# Altium PCB 11BRANMB10H2_20170927.pcbdoc (part 5 of 11)
Units mm, origin at the board's own origin, x right, y up, seen from the top; angles counter-clockwise.
Board outline 91.65 x 48.25 mm, 6 copper layers (TOP, GND1, Singal, POWER, GND2, BOTTOM), stack 0.8 mm thick; 370 components, 289 nets, 1421 pads, 980 vias.
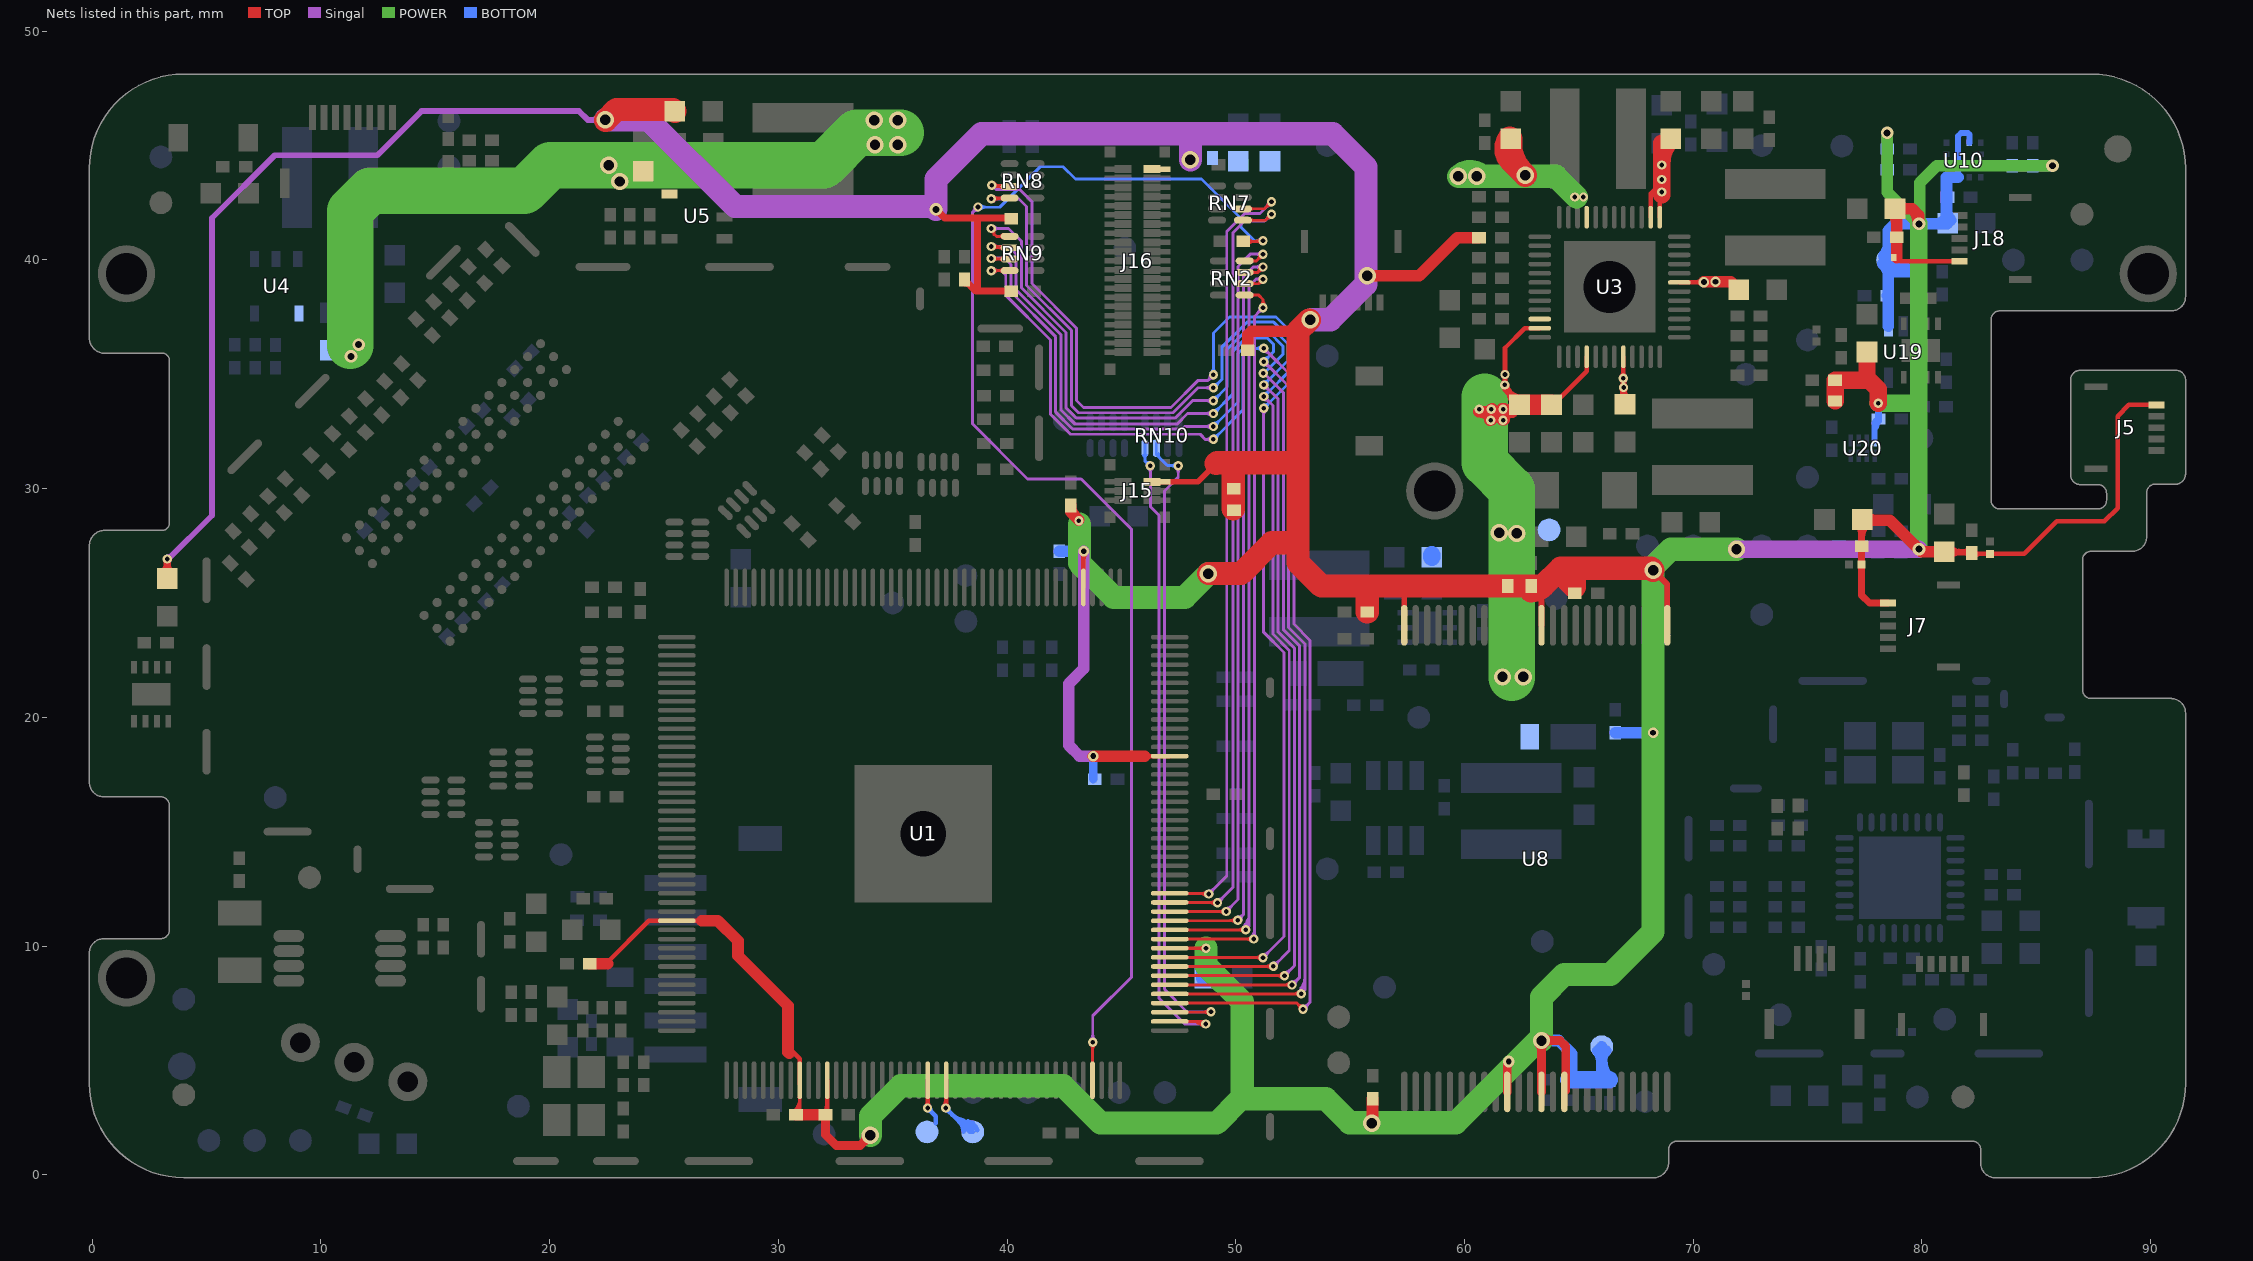
[diagram p9: the nets of this part, all layers, seen from the top]

## Via types
v1: diameter 0.406, hole 0.203, TOP to BOTTOM, tented both sides, 450 vias
v2: diameter 0.457, hole 0.254, TOP to BOTTOM, tented both sides, 256 vias
v3: diameter 0.559, hole 0.305, TOP to BOTTOM, tented both sides, 184 vias
v4: diameter 0.762, hole 0.457, TOP to BOTTOM, tented both sides, 69 vias
v5: diameter 0.61, hole 0.33, TOP to BOTTOM, tented both sides, 11 vias
v6: diameter 0.5, hole 0.2, TOP to BOTTOM, 9 vias
v7: diameter 0.508, hole 0.254, TOP to BOTTOM, tented both sides, 1 vias

## Nets (pads, with @x,y where several pads share a name; then routed paths per layer and width w, separated by ;. In a path a pad name is that pad's centre, name@x,y a point inside that pad or via, vN(x,y) a via of type N, cw(c..) or ccw(c..) an arc to the next point about the centre after c; other vN are vias at no path point) (continued)
HPVCC: C10.2 C15.1 C16.2 C17.2 C18.2 C19.2 C121.2 C122.2 C123.2 C152.2 C154.2 C155.2 C156.1 C157.1 C204.2 C207.2 C208.2 C209.2 C235.1 C240.2 C241.1 C252.2 C253.2 D13.1 D15.1 D20.1 J5.1 J7.5 J15.1 J16.1 J18.1 L12.1 R3.1 R4.1 R5.1 R6.1 R7.1 R8.1 R23.2 R32.1 R34.1 R39.1 R55.2 R79.1 R80.1 R81.1 R99.2 R129.1 R130.1 R131.1 R177.2 R199.1 R213.1 R214.1 TP12.1 TP23.1 U1.5 U1.76 U1.97 U1.100 U1.142 U1.163 U8.1 U8.12 U8.24 U8.34 U8.37 U8.39 U10.2 U10.3 U10.9 U10.10 U19.1 U20.8 | length 435.4
  TOP w0.152: 30.779,2.881 ccw(c30.934,2.792) C17.2@30.837,2.642 ; 30.86,3.02 ccw(c31.021,2.926) C17.2@30.92,2.77 ; C17.2@30.935,2.624 U1.97@30.935,3.958 ; U1.142@47.11,9.908 48.261,9.908 48.268,9.902 v1(48.699,9.902) ; U1.97@30.915,3.396 cw(c30.79,3.324) 30.929,3.287 ; U1.97@30.915,3.396 cw(c30.79,3.324) 30.929,3.287 ; U1.97@30.915,3.396 cw(c30.79,3.324) 30.929,3.287 ; 48.393,9.902 ccw(c48.393,10.208) 48.61,9.991 cw(c48.393,10.208) 48.393,9.902 ; 48.393,9.902 cw(c48.393,9.595) 48.61,9.812 ccw(c48.393,9.595) 48.393,9.902 ; C17.2@30.702,2.747 ccw(c30.14,3.31) 30.935,3.31 cw(c30.14,3.31) C17.2@30.702,2.747 ; C17.2@30.81,2.639 ccw(c30.508,2.942) 30.935,2.942 cw(c30.508,2.942) C17.2@30.81,2.639
  TOP w0.203: 22.528,9.295 24.341,11.108 U1.76@25.56,11.108 26.657,11.108 ; 30.43,5.572 30.935,5.066 U1.97@30.935,4.133 U1.97@30.935,3.958 ; C19.2@32.135,2.699 U1.100@32.135,4.133 ; U1.5@43.335,25.683 v2@43.335,27.241 ; 46.022,18.308 U1.163@47.11,18.308 ; J16.1@46.335,43.97 J16.1@46.925,43.97 ; D20.1@78.764,40.058 cw(c78.777,39.661) 79.058,39.942 ; 78.9,40.1 79.058,39.942 ; v3@79.844,27.381 v3(79.87,27.356) ; C155.2@80.974,27.241 81.029,27.186 C154.2@82.181,27.186 ; 81.615,27.275 ccw(c81.766,27.84) C154.2@82.097,27.358 ; J18.1@81.648,39.942 79.058,39.942 ; C154.2@82.214,27.153 D13.1@82.982,27.153 84.479,27.153 85.901,28.575 87.982,28.575 88.557,29.15 88.557,33.172 89.049,33.664 J5.1@90.263,33.664 ; 81.823,27.186 ccw(c81.823,27.544) 82.076,27.291 cw(c81.823,27.544) 81.823,27.186 ; 81.823,27.186 cw(c81.823,26.828) 82.076,27.081 ccw(c81.823,26.828) 81.823,27.186 ; 82.805,27.153 ccw(c82.805,27.33) 82.93,27.205 cw(c82.805,27.33) 82.805,27.153 ; 82.805,27.153 cw(c82.805,26.976) 82.93,27.101 ccw(c82.805,26.976) 82.805,27.153 ; 83.159,27.153 ccw(c83.159,26.976) 83.034,27.101 cw(c83.159,26.976) 83.159,27.153 ; 83.159,27.153 cw(c83.159,27.33) 83.034,27.205 ccw(c83.159,27.33) 83.159,27.153 ; C19.2@32.006,2.729 ccw(c31.694,3.041) 32.135,3.041 cw(c31.694,3.041) C19.2@32.006,2.729 ; 32.135,2.924 ccw(c32.411,2.924) 32.216,2.729 cw(c32.411,2.924) 32.135,2.924 ; v2@43.266,27.172 cw(c43.1,27.006) 43.335,27.006 ccw(c43.1,27.006) v2@43.266,27.172 ; 43.335,26.905 cw(c43.713,26.905) 43.446,27.172 ccw(c43.713,26.905) 43.335,26.905 ; C155.2@81.076,27.344 ccw(c81.458,27.726) 81.458,27.186 cw(c81.458,27.726) C155.2@81.076,27.344 ; C155.2@81.22,26.995 cw(c81.681,26.534) 81.681,27.186 ccw(c81.681,26.534) C155.2@81.22,26.995 ; C155.2@81.22,27.488 ccw(c81.949,28.217) 81.949,27.186 cw(c81.949,28.217) C155.2@81.22,27.488 ; C154.2@82.286,27.031 cw(c82.58,26.737) 82.58,27.153 ccw(c82.58,26.737) C154.2@82.286,27.031 ; C154.2@82.286,27.241 ccw(c82.499,27.453) 82.499,27.153 cw(c82.499,27.453) C154.2@82.286,27.241
  TOP w0.254: R214.1@3.048,26.301 ccw(c2.497,26.853) 3.277,26.853 ccw(c4.056,26.853) R214.1@3.505,26.301 ; v1@3.211,26.886 cw(c2.997,26.762) 3.235,26.699 ; R214.1@3.277,26.073 v1(3.277,26.924) ; 3.318,26.699 cw(c3.556,26.762) v1@3.343,26.886 ; J15.1@46.335,30.3 J15.1@46.925,30.3 48.352,30.3 49.149,31.097 ; U8.24@57.367,24.024 57.367,25.4 ; C204.2@62.981,25.679 63.367,25.293 U8.12@63.367,24.024 ; 68.568,26.097 cw(c68.683,26.526) v4(68.248,26.437) ; 68.588,26.117 ccw(c68.159,26.002) v4(68.248,26.437) ; U8.1@68.867,24.024 68.867,25.818 v4(68.248,26.437) ; 68.682,26.003 ccw(c68.248,25.57) 68.248,26.183 cw(c68.248,25.57) 68.682,26.003 ; 68.682,26.003 cw(c69.115,26.437) 68.502,26.437 ccw(c69.115,26.437) 68.682,26.003 ; C204.2@62.914,25.573 cw(c62.914,25.155) 63.209,25.451 ccw(c62.914,25.155) C204.2@62.914,25.573
  TOP w0.305: v3(36.893,42.215) 37.274,41.834 38.701,41.834 ; R55.2@38.138,39.143 38.647,38.633 R79.1@40.178,38.633 ; 38.701,38.687 38.701,41.834 ; R81.1@40.178,41.808 40.152,41.834 38.701,41.834 ; C157.1@77.183,28.441 cw(c76.734,27.992) 77.369,27.992 ; 77.369,27.874 cw(c78.171,27.874) C157.1@77.604,28.441 ; C157.1@77.369,28.627 77.369,27.483 77.369,26.695 77.369,25.336 77.704,25 J7.5@78.52,25 ; 37.11,41.998 ccw(c36.893,41.781) 36.893,42.088 cw(c36.893,41.781) 37.11,41.998 ; 37.11,41.998 cw(c37.327,42.215) 37.02,42.215 ccw(c37.327,42.215) 37.11,41.998 ; R55.2@38.138,38.995 cw(c38.138,38.639) 38.39,38.891 ccw(c38.138,38.639) R55.2@38.138,38.995 ; 39.831,41.834 cw(c39.831,41.511) 40.059,41.739 ccw(c39.831,41.511) 39.831,41.834
  TOP w0.381: C19.2@32.061,2.624 32.061,1.756 32.536,1.281 33.581,1.281 v4(34.027,1.727) ; U8.34@61.867,3.624 61.867,4.883 v7(61.937,4.953) ; U8.37@63.367,3.624 v4(63.367,5.871) 64.173,5.871 64.425,5.619 U8.39@64.425,3.682 ; 33.702,1.402 ccw(c33.377,1.727) 33.837,1.727 cw(c33.377,1.727) 33.702,1.402 ; 33.702,1.402 cw(c34.027,1.077) 34.027,1.536 ccw(c34.027,1.077) 33.702,1.402 ; 63.367,5.411 ccw(c62.907,5.411) 63.232,5.736 cw(c62.907,5.411) 63.367,5.411 ; 63.367,5.411 cw(c63.827,5.411) v4@63.502,5.736 ; 63.367,5.411 cw(c63.827,5.411) v4@63.502,5.736 ; v4@63.502,5.736 cw(c63.827,5.411) 63.827,5.871 ; v4@63.502,5.736 cw(c63.827,5.411) 63.827,5.871 ; 63.827,5.871 cw(c63.827,6.331) 63.502,6.006 ccw(c63.827,6.331) 63.827,5.871 ; 61.867,4.63 cw(c62.261,4.63) 61.982,4.908 ccw(c62.261,4.63) 61.867,4.63
  TOP w0.508: C10.2@21.758,9.228 22.528,9.228 ; 26.657,11.108 27.356,11.108 28.236,10.228 28.236,9.571 30.42,7.387 30.42,5.664 ; 30.43,5.572 30.43,5.655 30.42,5.664 ; 30.472,5.313 30.42,5.366 30.42,5.664 ; C17.2@30.775,2.624 30.935,2.624 C19.2@32.061,2.624 ; R177.2@42.786,29.269 42.786,28.988 v1@43.142,28.632 ; v2(43.772,18.309) 46.022,18.309 ; R80.1@50.525,36.061 50.525,36.721 50.686,36.881 52.718,36.881 ; v4@55.848,39.313 58.026,39.313 59.692,40.978 R23.2@60.636,40.978 ; v4(55.954,2.256) 55.98,2.282 R99.2@55.98,3.331 ; C204.2@62.799,25.496 C204.2@62.981,25.679 ; C157.1@77.443,28.626 78.6,28.626 v3@79.844,27.381 ; C157.1@77.532,28.79 ccw(c77.928,29.186) 77.928,28.626 ; 78.9,40.1 78.9,40.107 C253.2@78.9,40.989 78.9,42.167 C252.2@78.826,42.241 79.576,42.241 ; v3(79.87,27.356) 79.984,27.241 C155.2@80.974,27.241 ; v3(79.87,41.58) 79.87,41.947 79.576,42.241 ; 79.299,42.241 ccw(c79.299,41.768) 78.964,42.103 cw(c79.299,41.768) 79.299,42.241 ; 79.299,42.241 cw(c79.299,42.715) 78.964,42.38 ccw(c79.299,42.715) 79.299,42.241 ; 79.576,42.241 cw(c78.927,41.592) 79.844,41.58 ccw(c78.927,41.592) 79.576,42.241 ; 80.501,27.241 ccw(c80.501,27.715) 80.835,27.38 cw(c80.501,27.715) 80.501,27.241 ; 80.501,27.241 cw(c80.501,26.768) 80.835,27.103 ccw(c80.501,26.768) 80.501,27.241 ; R177.2@42.782,29.219 ccw(c43.33,29.219) 42.942,28.831 cw(c43.33,29.219) R177.2@42.782,29.219 ; C252.2@78.687,42.103 cw(c78.172,41.588) 78.9,41.588 ccw(c78.172,41.588) C252.2@78.687,42.103 ; v3@79.888,27.374 ccw(c80.207,27.693) 80.207,27.241 cw(c80.207,27.693) v3@79.888,27.374
  TOP w0.762: R7.1@76.204,33.833 R8.1@76.204,34.747 77.697,34.747 78.092,34.353 v1(78.092,33.731) ; 77.6,34.798 R213.1@77.6,35.975
  TOP w1.016: v4@22.44,46.101 22.45,46.111 22.922,46.583 25.394,46.583 L12.1@25.476,46.501 ; v4(48.806,26.289) 50.228,26.289 51.574,27.635 52.718,27.635 ; 49.149,31.097 49.185,31.134 49.898,31.134 ; R5.1@49.89,29.127 49.89,29.991 49.89,31.126 49.898,31.134 ; v4@53.212,37.376 52.718,36.881 52.718,31.134 ; R39.1@55.753,24.608 55.753,25.746 ; 64.347,26.388 64.347,26.167 64.816,25.698 64.816,26.1 ; v4(68.248,26.437) 68.16,26.525 64.209,26.525 63.43,25.746 ; 49.898,31.134 52.718,31.134 ; 52.718,27.635 52.718,31.134 ; 52.718,27.635 52.718,26.772 53.743,25.746 55.753,25.746 ; 55.753,25.746 C207.2@61.898,25.746 C204.2@62.914,25.746 63.43,25.746 ; 63.43,25.746 cw(c62.927,26.249) 62.906,25.538 ccw(c62.927,26.249) 63.43,25.746 ; C204.2@62.914,25.538 ccw(c62.914,26.282) 63.44,25.756 cw(c62.914,26.282) C204.2@62.914,25.538
  Singal w0.254: v1(3.277,26.924) 3.277,26.873 3.302,26.899 5.232,28.829 5.232,41.834 7.976,44.577 12.471,44.577 14.402,46.507 21.285,46.507 21.666,46.126 22.426,46.126 v4@22.44,46.126 ; v1@3.277,27 ccw(c3.277,27.307) 3.493,27.09 ; 21.794,46.126 ccw(c21.794,46.766) v4@22.247,46.314 ; 21.832,46.126 cw(c21.832,45.54) v4@22.247,45.955
  Singal w0.508: v2(43.356,27.262) 43.356,22.135 42.696,21.474 42.696,18.781 43.167,18.309 v2(43.772,18.309)
  Singal w0.762: v4(71.894,27.356) v3(79.87,27.356)
  Singal w1.016: v4@22.44,46.126 24.32,46.126 28.105,42.342 v3@36.766,42.342 ; v3(36.893,42.215) 36.893,43.529 38.881,45.517 48.022,45.517 ; v4@48.022,44.378 48.022,45.517 ; v4@53.302,37.389 54.14,37.389 55.689,38.938 55.689,39.319 55.689,44.069 54.241,45.517 48.022,45.517
  POWER w0.508: v3(78.481,45.559) 78.481,42.968 v3(79.87,41.58) 79.907,41.617 79.907,43.383 80.644,44.12 v3(85.712,44.12)
  POWER w0.762: v1(78.092,33.731) 79.819,33.731 79.87,33.68 ; v3(79.87,27.356) 79.87,33.68 ; v3@79.87,41.605 v3(79.87,41.58) 79.87,33.68
  POWER w1.016: v4(34.027,1.727) 34.027,2.565 35.356,3.894 42.454,3.894 44.088,2.261 49.16,2.261 50.227,3.327 ; v1@43.167,28.441 43.167,27.262 43.167,26.746 44.666,25.247 47.764,25.247 v4(48.806,26.289) ; v1(48.699,9.902) 48.699,9.149 50.279,7.569 50.279,3.38 50.227,3.327 ; v4(63.367,5.871) v4@63.367,6.027 ; v4(71.894,27.356) 69.024,27.356 68.248,26.58 v4(68.248,26.437) v2(68.248,19.325) 68.248,10.624 66.387,8.763 64.358,8.763 63.367,7.772 v4@63.367,6.027 ; 50.227,3.327 53.93,3.327 54.978,2.279 55.954,2.279 59.619,2.279 62.115,4.775 63.289,5.949 v4@63.367,6.027
  BOTTOM w0.254: U20.8@77.931,32.11 77.931,32.877 C241.1@78.1,33.045 ; C241.1@77.96,32.962 cw(c77.8,32.812) 77.989,32.703 ; U10.9@81.576,43.619 U10.2@81.576,45.119 81.576,45.415 81.712,45.551 82.017,45.551 82.076,45.491 U10.3@82.076,45.119 ; 77.931,32.462 cw(c78.634,32.462) 78.137,32.958 ccw(c78.634,32.462) 77.931,32.462
  BOTTOM w0.305: v1(78.092,33.731) 78.1,33.723 C241.1@78.1,33.045
  BOTTOM w0.381: C18.2@43.771,17.293 43.772,17.294 v2(43.772,18.309)
  BOTTOM w0.508: C16.2@42.278,27.265 43.353,27.265 v2(43.356,27.262) ; v4(63.367,5.871) 64.112,5.871 64.692,5.291 64.692,4.283 R32.1@64.557,4.148 ; 66,4.197 TP23.1@66,5.6 ; 66,5.008 ccw(c67.161,5.008) C209.2@66.34,4.187 ; R131.1@66.597,19.333 68.24,19.333 v2(68.248,19.325) ; R129.1@78.481,43.942 R130.1@78.481,44.852 v3(78.481,45.559) ; TP12.1@78.49,39.99 TP12.1@78.5,40 ; U19.1@78.534,37.107 C235.1@78.534,38.386 ; 80.604,41.58 ccw(c80.604,42.125) C152.2@80.989,41.739 ; 81.076,42.198 ccw(c81.725,42.198) C152.2@81.266,41.739 ; U10.9@81.576,43.619 U10.10@81.076,43.619 81.076,42.744 81.076,41.652 C152.2@81.128,41.601 81.107,41.58 v3(79.87,41.58) 78.828,41.58 78.534,41.285 TP12.1@78.534,40 ; R3.1@83.96,44.123 R4.1@84.849,44.123 v3@85.712,44.123 ; 66,5.006 ccw(c65.406,5.006) 65.826,5.426 cw(c65.406,5.006) 66,5.006 ; 66,5.006 cw(c66.594,5.006) 66.174,5.426 ccw(c66.594,5.006) 66,5.006 ; TP12.1@78.362,39.797 cw(c78.139,39.471) 78.534,39.471 ; TP12.1@78.362,39.797 cw(c78.139,39.471) 78.534,39.471 ; TP12.1@78.362,39.797 cw(c78.139,39.471) 78.534,39.471 ; TP12.1@78.362,39.797 cw(c78.139,39.471) 78.534,39.471 ; TP12.1@78.5,40 TP12.1@78.534,39.966 ; TP12.1@78.5,40 TP12.1@78.534,40 ; C235.1@78.534,38.386 78.534,38.43 C235.1@78.534,38.474 ; C235.1@78.534,38.386 C235.1@78.49,38.43 C235.1@78.534,38.474 ; C235.1@78.534,38.474 78.534,39.472 ; 78.534,39.472 TP12.1@78.534,39.966 ; 78.534,39.472 78.551,39.489 79.011,39.489 ; 78.534,39.488 cw(c79.012,39.488) TP12.1@78.674,39.826 ; 78.534,39.488 cw(c79.012,39.488) TP12.1@78.674,39.826 ; 78.534,39.488 cw(c79.012,39.488) TP12.1@78.674,39.826 ; 78.534,39.488 cw(c79.012,39.488) TP12.1@78.674,39.826 ; 78.534,39.488 cw(c79.012,39.488) TP12.1@78.674,39.826 ; 78.534,39.488 cw(c79.012,39.488) TP12.1@78.674,39.826 ; TP12.1@78.534,39.966 TP12.1@78.534,40 ; TP12.1@78.534,39.966 79.011,39.489 ; 78.92,39.58 ccw(c78.5,39.16) 78.5,39.754 cw(c78.5,39.16) 78.92,39.58 ; 78.92,39.58 cw(c79.34,40) 78.746,40 ccw(c79.34,40) 78.92,39.58 ; 79.011,39.489 R199.1@79.971,39.489 ; R199.1@79.971,39.489 cw(c79.971,41.051) 78.7,40.143 ccw(c79.971,41.051) R199.1@79.971,39.489 ; TP12.1@78.287,39.848 ccw(c78.984,40.346) 78.984,39.489 cw(c78.984,40.346) TP12.1@78.287,39.848 ; TP12.1@78.326,39.826 cw(c77.824,39.324) 78.534,39.324 ccw(c77.824,39.324) TP12.1@78.326,39.826 ; TP12.1@78.326,40.174 ccw(c77.824,40.676) 78.534,40.676 cw(c77.824,40.676) TP12.1@78.326,40.174 ; 78.534,40.512 ccw(c79.012,40.512) 78.674,40.174 cw(c79.012,40.512) 78.534,40.512
  BOTTOM w0.762: C15.1@48.636,8.606 v1@48.636,9.838 ; R32.1@64.557,4.148 65.454,4.148 C209.2@66.335,4.148
  other v1: 43.142,28.594
  other v4: 53.251,37.389 55.74,39.319 48.018,44.374 22.426,46.134
IPSOUT: C39.1 C40.2 C47.1 C50.1 C57.1 C64.1 C67.1 C68.1 D18.2 L19.2 TP13.1 U3.7 U3.13 U3.14 U3.21 U3.34 U3.35 U3.40 U3.44 U4.4 U5.4 | length 120
  TOP w0.203: v1@61.703,34.919 cw(c61.591,34.792) 61.755,34.748 ; v1@61.709,34.449 cw(c61.419,33.947) C40.2@61.98,34.097 ; v1@61.854,34.398 ccw(c62.509,34.776) C40.2@62.439,34.022 ; C40.2@61.964,34.024 ccw(c62.507,34.169) C40.2@62.394,33.619 ; 61.966,34.286 cw(c62.218,34.537) v1@61.862,34.537 ; C40.2@62.025,34.101 cw(c61.643,33.88) C40.2@62.069,33.766 ; C40.2@62.051,34.057 ccw(c62.464,34.296) C40.2@62.42,33.82 ; C40.2@62.058,34.117 cw(c61.912,33.574) C40.2@62.463,33.687 ; C40.2@62.406,33.676 61.771,34.311 ; U3.35@63.293,37.019 62.632,37.019 62.632,37.013 61.771,36.152 v1(61.771,34.995) 61.771,34.537 61.771,34.311 ; C68.1@63.803,33.676 63.876,33.676 65.343,35.142 U3.40@65.343,35.769 ; v1@66.882,34.493 ccw(c66.748,34.614) v1@66.923,34.661 ; v1@66.887,34.498 ccw(c66.708,34.686) v1@66.967,34.686 ; v1@66.923,34.567 cw(c67.169,34.567) v1@67.009,34.754 ; v1@66.939,34.679 ccw(c67.169,34.679) v1@67.022,34.502 ; U3.44@66.943,35.769 v1(66.943,34.831) v1@66.943,34.424 ; v1@66.967,34.644 ccw(c67.177,34.644) v1@67.029,34.496 ; v1@66.984,34.581 cw(c67.191,34.636) v1@67.023,34.768 ; C39.1@67.105,33.676 67.052,33.728 66.943,33.838 v1@66.943,34.424 ; U3.14@68.143,41.869 68.143,42.905 68.334,43.096 ; U3.13@68.543,41.869 68.543,42.969 68.543,43.096 68.334,43.096 ; v1@68.56,42.894 cw(c68.457,42.781) 68.59,42.705 ; U3.7@69.393,39.019 70.451,39.019 v2(70.467,39.035) v2@70.483,39.051 ; 61.771,34.31 ccw(c61.587,34.31) 61.698,34.457 cw(c61.587,34.31) 61.771,34.31 ; 61.771,34.749 ccw(c61.526,34.749) 61.699,34.923 cw(c61.526,34.749) 61.771,34.749 ; 61.771,34.749 cw(c62.016,34.749) 61.843,34.923 ccw(c62.016,34.749) 61.771,34.749 ; 61.771,35.24 ccw(c62.016,35.24) 61.843,35.066 cw(c62.016,35.24) 61.771,35.24 ; 61.771,35.24 cw(c61.526,35.24) 61.699,35.066 ccw(c61.526,35.24) 61.771,35.24 ; 61.811,34.27 ccw(c62.406,34.865) 62.406,34.024 cw(c62.406,34.865) 61.811,34.27 ; 61.811,34.27 cw(c61.216,33.676) 62.058,33.676 ccw(c61.216,33.676) 61.811,34.27 ; v1@61.862,34.537 ccw(c62.628,34.537) 62.086,33.995 cw(c62.628,34.537) v1@61.862,34.537 ; v1@66.869,34.373 cw(c66.643,34.243) 66.895,34.176 ; v1@66.869,34.373 cw(c66.643,34.243) 66.895,34.176 ; v1@66.869,34.373 cw(c66.643,34.243) 66.895,34.176 ; v1@66.89,34.744 cw(c66.832,34.65) v1@66.939,34.622 ; v1@66.89,34.744 cw(c66.832,34.65) v1@66.939,34.622 ; v1@66.89,34.744 cw(c66.832,34.65) v1@66.939,34.622 ; 66.901,34.197 cw(c67.123,34.137) v1@67.008,34.336 ; 66.901,34.197 cw(c67.123,34.137) v1@67.008,34.336 ; 66.901,34.197 cw(c67.123,34.137) v1@67.008,34.336 ; v1@66.906,34.336 cw(c66.807,34.164) 66.999,34.215 ; v1@66.906,34.336 cw(c66.807,34.164) 66.999,34.215 ; v1@66.906,34.336 cw(c66.807,34.164) 66.999,34.215 ; v1@66.943,34.424 ccw(c67.438,34.424) 67.191,33.995 cw(c67.438,34.424) v1@66.943,34.424 ; v1@66.943,34.586 ccw(c66.698,34.586) 66.871,34.759 cw(c66.698,34.586) v1@66.943,34.586 ; v1@66.943,34.586 cw(c67.188,34.586) 67.015,34.759 ccw(c67.188,34.586) v1@66.943,34.586 ; 66.943,35.076 ccw(c67.188,35.076) 67.015,34.903 cw(c67.188,35.076) 66.943,35.076 ; 66.943,35.076 cw(c66.698,35.076) 66.871,34.903 ccw(c66.698,35.076) 66.943,35.076 ; v1@66.967,34.612 cw(c67.105,34.649) v1@67.01,34.755 ; v1@66.967,34.612 cw(c67.105,34.649) v1@67.01,34.755 ; v1@66.967,34.612 cw(c67.105,34.649) v1@67.01,34.755 ; 67.003,34.199 cw(c67.181,34.247) v1@67.037,34.361 ; 67.003,34.199 cw(c67.181,34.247) v1@67.037,34.361 ; 67.003,34.199 cw(c67.181,34.247) v1@67.037,34.361 ; v1@67.029,34.496 cw(c67.236,34.703) 66.943,34.703 ccw(c67.236,34.703) v1@67.029,34.496 ; 68.334,43.096 cw(c68.334,42.893) 68.531,42.944 ccw(c68.334,42.893) 68.334,43.096 ; v1@61.688,34.609 ccw(c61.488,34.809) 61.771,34.809 cw(c61.488,34.809) v1@61.688,34.609 ; 61.771,34.319 cw(c61.979,34.319) 61.832,34.466 ccw(c61.979,34.319) 61.771,34.319 ; 61.771,34.756 ccw(c61.979,34.756) 61.832,34.609 cw(c61.979,34.756) 61.771,34.756 ; C39.1@66.771,33.939 ccw(c66.356,34.355) 66.943,34.355 cw(c66.356,34.355) C39.1@66.771,33.939 ; v1@66.885,34.352 cw(c66.745,34.213) 66.943,34.213 ccw(c66.745,34.213) v1@66.885,34.352 ; v1@66.885,34.496 ccw(c66.745,34.636) 66.943,34.636 cw(c66.745,34.636) v1@66.885,34.496 ; 66.943,34.145 cw(c67.236,34.145) 67.029,34.352 ccw(c67.236,34.145) 66.943,34.145 ; 68.543,42.516 cw(c69.082,42.516) 68.701,42.897 ccw(c69.082,42.516) 68.543,42.516 ; 70.121,39.019 ccw(c70.121,39.382) 70.377,39.125 cw(c70.121,39.382) 70.121,39.019 ; 70.2,39.019 cw(c70.2,38.768) 70.377,38.946 ccw(c70.2,38.768) 70.2,39.019
  TOP w0.508: v1@60.628,33.358 v1@60.646,33.358 ; 61.517,33.35 v1@61.688,33.35 ; v2@70.467,39.051 70.483,39.051 v2(70.975,39.051) 71.636,39.051 C47.1@71.994,38.692 ; v1@60.646,33.358 cw(c60.646,32.738) 61.2,33.017 ccw(c60.646,32.738) v1@60.646,33.358 ; v1@60.646,33.358 61.154,33.358 v1@61.167,33.358 ; v1@61.131,33.441 ccw(c61.351,33.661) 61.351,33.35 ; v1@61.131,33.441 ccw(c61.351,33.661) 61.351,33.35 ; v1@61.131,33.441 ccw(c61.351,33.661) 61.351,33.35 ; v1@61.131,33.441 ccw(c61.351,33.661) 61.351,33.35 ; v1@61.152,33.071 ccw(c60.745,33.348) v1@61.215,33.492 ; v1@61.152,33.071 ccw(c60.745,33.348) v1@61.215,33.492 ; v1@61.152,33.071 ccw(c60.745,33.348) v1@61.215,33.492 ; v1@61.167,33.358 cw(c61.167,32.717) 61.732,33.018 ccw(c61.167,32.717) v1@61.167,33.358 ; v1@61.167,33.358 61.509,33.358 ; 61.509,33.358 ccw(c61.509,32.95) 61.104,33.001 cw(c61.509,32.95) 61.509,33.358 ; v1@61.641,33.497 ccw(c62.036,33.324) v1@61.726,33.024 ; v1@61.641,33.497 ccw(c62.036,33.324) v1@61.726,33.024 ; v1@61.641,33.497 ccw(c62.036,33.324) v1@61.726,33.024 ; v1@61.678,33.059 ccw(c61.332,33.326) v1@61.734,33.497 ; v1@61.678,33.059 ccw(c61.332,33.326) v1@61.734,33.497 ; v1@61.678,33.059 ccw(c61.332,33.326) v1@61.734,33.497 ; v1@61.688,33.35 ccw(c61.688,33.91) 62.22,33.736 cw(c61.688,33.91) v1@61.688,33.35 ; v1@61.688,33.35 C40.2@62.08,33.35 ; C40.2@62.08,33.35 ccw(c62.08,32.894) 61.638,33.007 cw(c62.08,32.894) C40.2@62.08,33.35 ; C40.2@62.08,33.35 C40.2@62.406,33.676 ; C40.2@62.406,33.676 cw(c61.789,34.292) 61.681,33.427 ccw(c61.789,34.292) C40.2@62.406,33.676 ; v1@61.652,33.441 ccw(c61.872,33.661) 61.872,33.35 cw(c61.872,33.661) v1@61.652,33.441